# Altium PCB Digital_Optical_18Tx_14Tx4Rx2.PcbDoc (part 1 of 2) (continued)
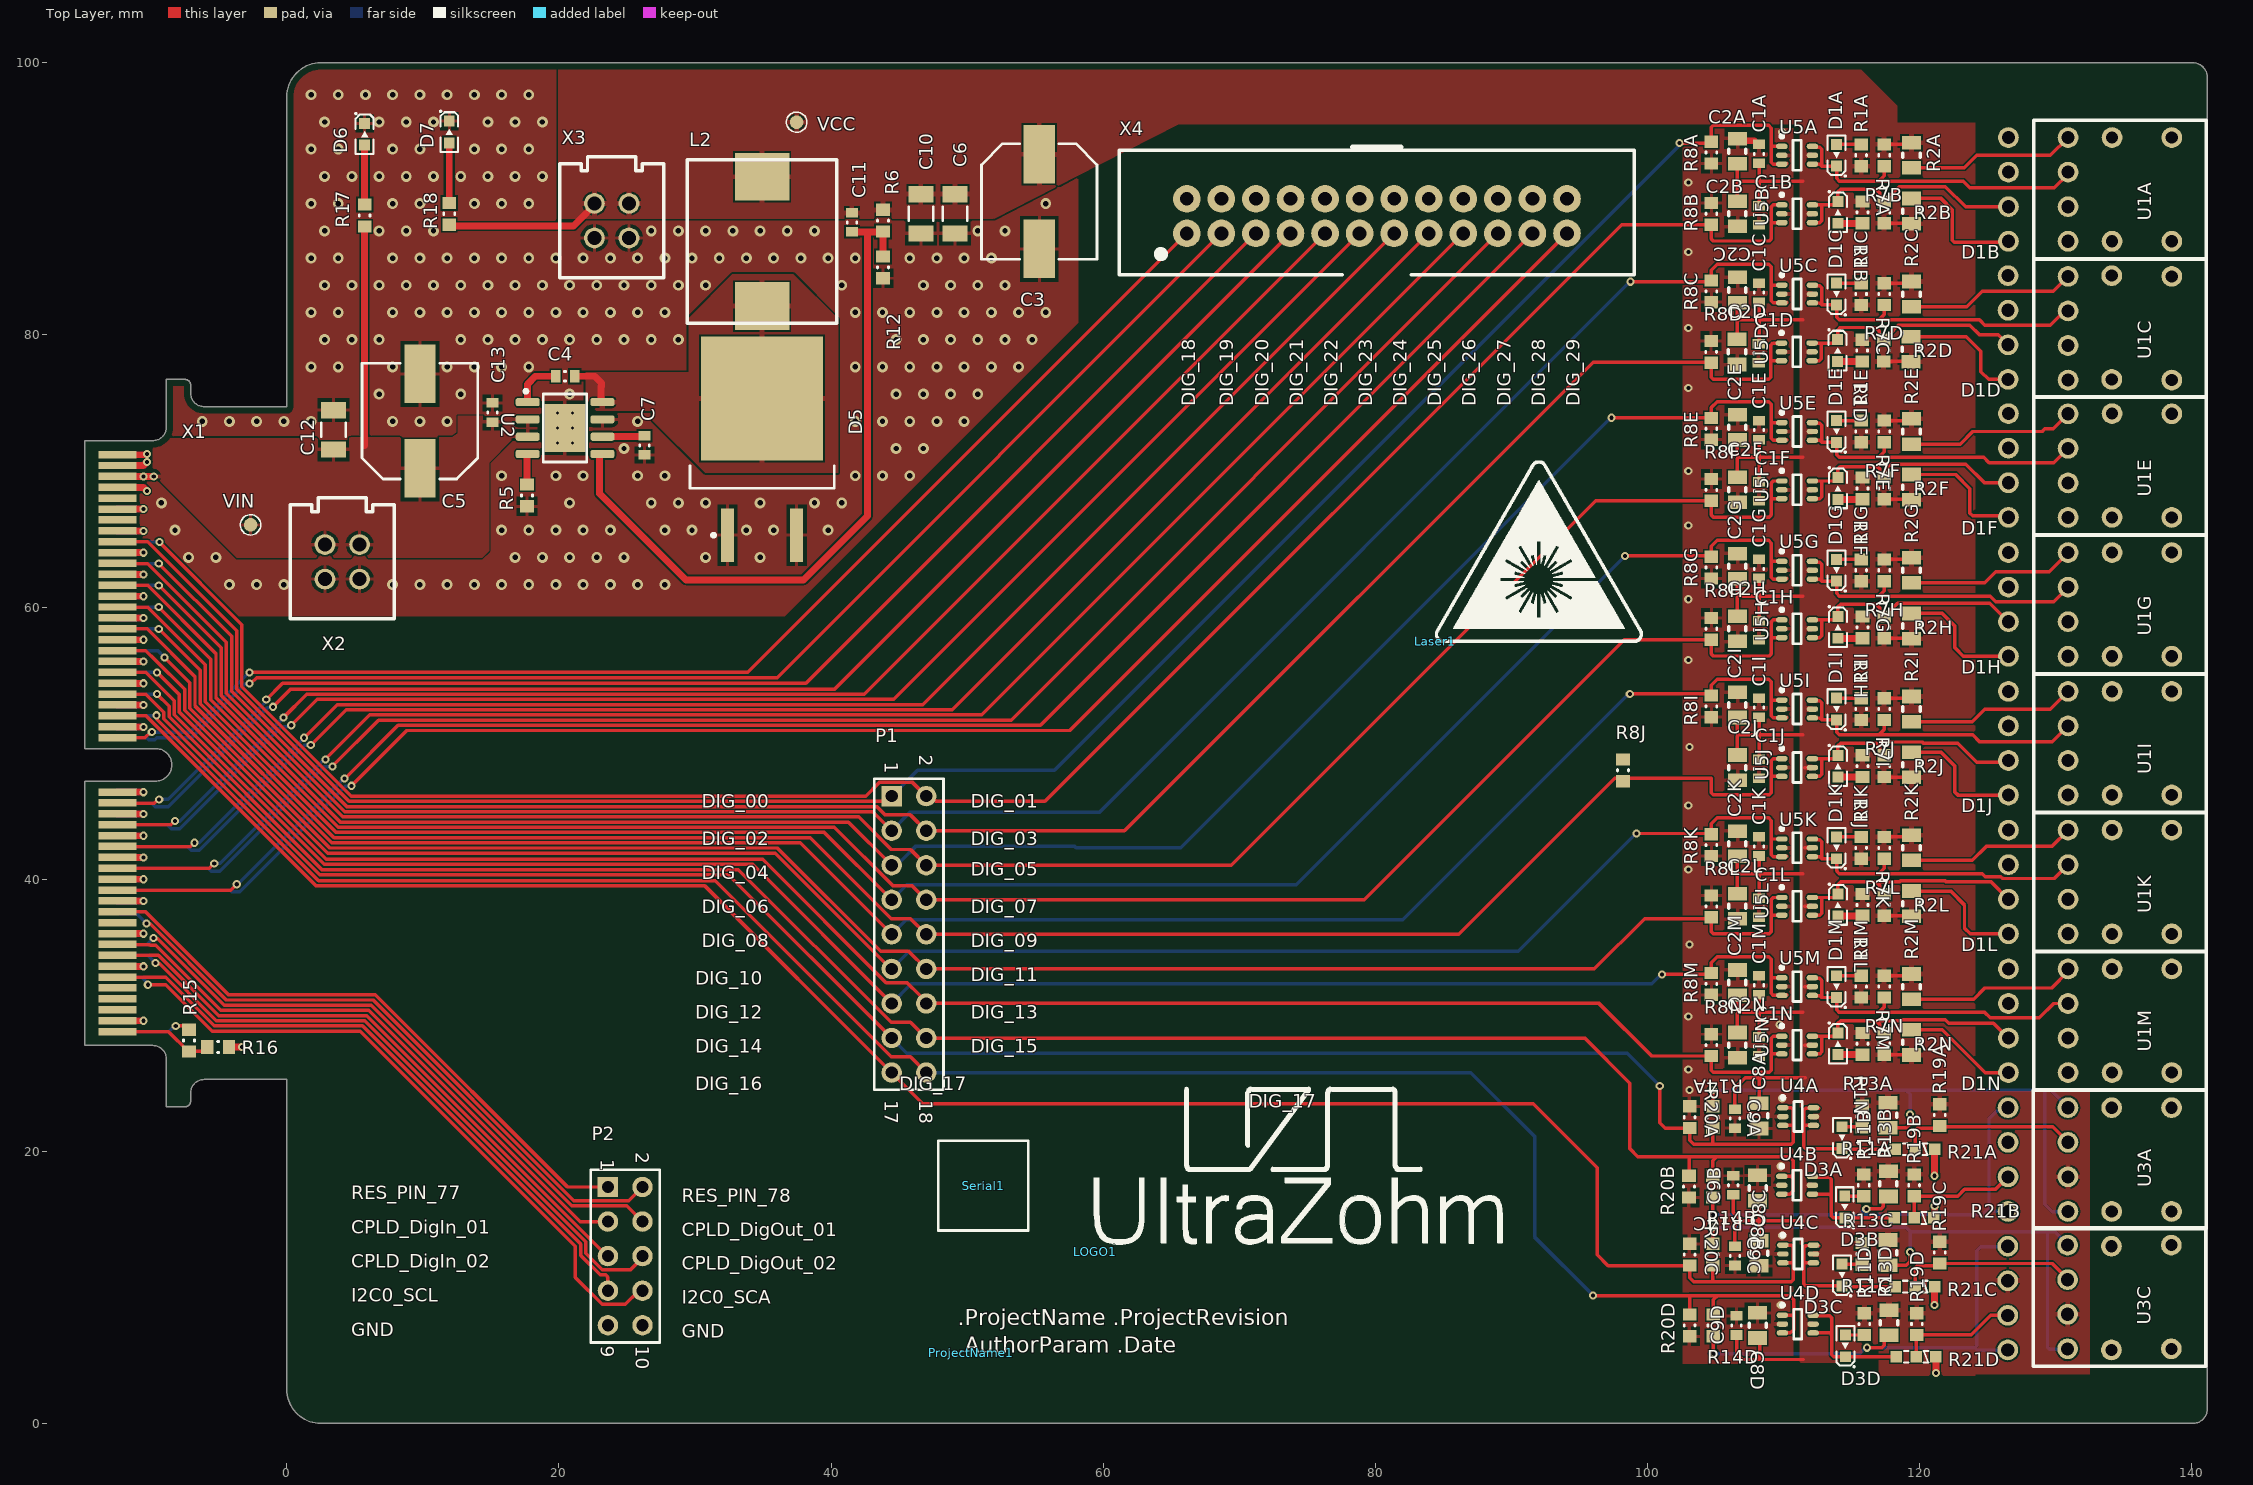
[diagram p0: Top Layer view]
## Components (designator, comment, footprint, x,y, rotation, side; value= is the part's Value field where it differs from the comment)
C1A "100nF" C_0603(1608)100_L 108.2,93.3 r90 top (schematic designator C1)
C1B "100nF" C_0603(1608)100_L 108.2,88.8 r270 top (schematic designator C1)
C1C "100nF" C_0603(1608)100_L 108.2,83.1 r90 top (schematic designator C1)
C1D "100nF" C_0603(1608)100_L 108.175,78.65 r270 top (schematic designator C1)
C1E "100nF" C_0603(1608)100_L 108.2,73 r90 top (schematic designator C1)
C1F "100nF" C_0603(1608)100_L 108.2,68.512 r270 top (schematic designator C1)
C1G "100nF" C_0603(1608)100_L 108.2,62.8 r90 top (schematic designator C1)
C1H "100nF" C_0603(1608)100_L 108.2,58.3 r270 top (schematic designator C1)
C1I "100nF" C_0603(1608)100_L 108.2,52.6 r90 top (schematic designator C1)
C1J "100nF" C_0603(1608)100_L 108.2,48.1 r270 top (schematic designator C1)
C1K "100nF" C_0603(1608)100_L 108.2,42.4 r90 top (schematic designator C1)
C1L "100nF" C_0603(1608)100_L 108.2,37.9 r270 top (schematic designator C1)
C1M "100nF" C_0603(1608)100_L 108.2,32.2 r90 top (schematic designator C1)
C1N "100nF" C_0603(1608)100_L 108.2,27.7 r270 top (schematic designator C1)
C2A "4.7µF" CAP_2012X06N 106.6,93.5 r90 top (schematic designator C2)
C2B "4.7µF" CAP_2012X06N 106.6,88.9 r270 top (schematic designator C2)
C2C "4.7µF" CAP_2012X06N 106.6,83.3 r90 top (schematic designator C2)
C2D "4.7µF" CAP_2012X06N 106.575,78.75 r270 top (schematic designator C2)
C2E "4.7µF" CAP_2012X06N 106.6,73.2 r90 top (schematic designator C2)
C2F "4.7µF" CAP_2012X06N 106.6,68.612 r270 top (schematic designator C2)
C2G "4.7µF" CAP_2012X06N 106.6,63 r90 top (schematic designator C2)
C2H "4.7µF" CAP_2012X06N 106.6,58.4 r270 top (schematic designator C2)
C2I "4.7µF" CAP_2012X06N 106.6,52.8 r90 top (schematic designator C2)
C2J "4.7µF" CAP_2012X06N 106.6,48.2 r270 top (schematic designator C2)
C2K "4.7µF" CAP_2012X06N 106.6,42.6 r90 top (schematic designator C2)
C2L "4.7µF" CAP_2012X06N 106.6,38 r270 top (schematic designator C2)
C2M "4.7µF" CAP_2012X06N 106.6,32.4 r90 top (schematic designator C2)
C2N "4.7µF" CAP_2012X06N 106.6,27.8 r270 top (schematic designator C2)
C3 "220uF" CAPAE9083X105M 55.3,89.8 r90 top
C4 "100nF" C_0603(1608)100_L 20.447,76.962 r0 top
C5 "220uF" CAPAE9083X105M 9.779,73.66 r270 top
C6 "10µF" C_1206 49.1,88.9 r270 top
C7 "10nF" C_0603(1608)100_L 26.289,71.882 r270 top
C8A "4.7µF" CAP_2012X06N 108.2,22.6 r270 top (schematic designator C8)
C8B "4.7µF" CAP_2012X06N 108.1,17.3 r90 top (schematic designator C8)
C8C "4.7µF" CAP_2012X06N 108.2,12.5 r270 top (schematic designator C8)
C8D "4.7µF" CAP_2012X06N 108.1,7.2 r90 top (schematic designator C8)
C9A "100nF" C_0603(1608)100_L 106.427,22.404 r270 top (schematic designator C9)
C9B "100nF" C_0603(1608)100_L 106.3,17.5 r90 top (schematic designator C9)
C9C "100nF" C_0603(1608)100_L 106.427,12.304 r270 top (schematic designator C9)
C9D "100nF" C_0603(1608)100_L 106.546,7.196 r90 top (schematic designator C9)
C10 "10µF" C_1206 46.6,88.9 r270 top
C11 "220pF" C_0603(1608)100_L 41.529,88.265 r270 top
C12 "10µF" C_1206 3.429,73.025 r90 top
C13 "100nF" C_0603(1608)100_L 15.113,74.295 r270 top
D1A "150060GS75000" WL-SMCW_0603 113.9,93.2 r90 top (schematic designator D1)
D1B "150060GS75000" WL-SMCW_0603 114,89 r270 top (schematic designator D1)
D1C "150060GS75000" WL-SMCW_0603 113.9,83 r90 top (schematic designator D1)
D1D "150060GS75000" WL-SMCW_0603 113.975,78.85 r270 top (schematic designator D1)
D1E "150060GS75000" WL-SMCW_0603 113.9,72.9 r90 top (schematic designator D1)
D1F "150060GS75000" WL-SMCW_0603 114,68.712 r270 top (schematic designator D1)
D1G "150060GS75000" WL-SMCW_0603 113.9,62.7 r90 top (schematic designator D1)
D1H "150060GS75000" WL-SMCW_0603 114,58.5 r270 top (schematic designator D1)
D1I "150060GS75000" WL-SMCW_0603 113.9,52.5 r90 top (schematic designator D1)
D1J "150060GS75000" WL-SMCW_0603 114,48.3 r270 top (schematic designator D1)
D1K "150060GS75000" WL-SMCW_0603 113.9,42.3 r90 top (schematic designator D1)
D1L "150060GS75000" WL-SMCW_0603 114,38.1 r270 top (schematic designator D1)
D1M "150060GS75000" WL-SMCW_0603 113.9,32.1 r90 top (schematic designator D1)
D1N "150060GS75000" WL-SMCW_0603 114,27.9 r270 top (schematic designator D1)
D3A "150060GS75000" WL-SMCW_0603 114.3,21 r90 top (schematic designator D3)
D3B "150060GS75000" WL-SMCW_0603 114.5,15.9 r90 top (schematic designator D3)
D3C "150060GS75000" WL-SMCW_0603 114.3,10.9 r90 top (schematic designator D3)
D3D "150060GS75000" WL-SMCW_0603 114.546,5.696 r90 top (schematic designator D3)
D5 "Value" DPAK254P1542X460-3N 34.925,71.628 r90 top
D6 "150060BS75000" WL-SMCW_0603 5.715,94.742 r270 top
D7 "150060RS75000" WL-SMCW_0603 11.938,94.907 r270 top
L2 "2.2uH" MWSA1004 34.925,86.868 r90 top
Laser1 "Voll_Laser" VOLL_LASER 84.4,57.5 r0 top
LOGO1 "UZ Logo" UZ_Logo_small 59.4,12.6 r0 top
P1 "Header 9X2" HDR2X9 44.45,46.101 r270 top
P2 "Header 5X2" HDR2X5 23.597,17.374 r270 top
ProjectName1 "Project Name, Rev" ID_PROJECTREV 50.292,5.207 r0 top
R1A "680R" R_0603_N 115.7,93.2 r270 top (schematic designator R1)
R1B "680R" R_0603_N 115.8,89 r90 top (schematic designator R1)
R1C "680R" R_0603_N 115.7,83 r270 top (schematic designator R1)
R1D "680R" R_0603_N 115.775,78.85 r90 top (schematic designator R1)
R1E "680R" R_0603_N 115.7,72.9 r270 top (schematic designator R1)
R1F "680R" R_0603_N 115.8,68.712 r90 top (schematic designator R1)
R1G "680R" R_0603_N 115.7,62.7 r270 top (schematic designator R1)
R1H "680R" R_0603_N 115.8,58.5 r90 top (schematic designator R1)
R1I "680R" R_0603_N 115.7,52.5 r270 top (schematic designator R1)
R1J "680R" R_0603_N 115.8,48.3 r90 top (schematic designator R1)
R1K "680R" R_0603_N 115.7,42.3 r270 top (schematic designator R1)
R1L "680R" R_0603_N 115.8,38.1 r90 top (schematic designator R1)
R1M "680R" R_0603_N 115.7,32.1 r270 top (schematic designator R1)
R1N "680R" R_0603_N 115.8,27.9 r90 top (schematic designator R1)
R2A "56R" RES_2012X06N 119.4,93.2 r270 top (schematic designator R2)
R2B "56R" RES_2012X06N 119.4,89.1 r90 top (schematic designator R2)
R2C "56R" RES_2012X06N 119.4,83 r270 top (schematic designator R2)
R2D "56R" RES_2012X06N 119.375,78.95 r90 top (schematic designator R2)
R2E "56R" RES_2012X06N 119.4,72.9 r270 top (schematic designator R2)
R2F "56R" RES_2012X06N 119.4,68.812 r90 top (schematic designator R2)
R2G "56R" RES_2012X06N 119.4,62.7 r270 top (schematic designator R2)
R2H "56R" RES_2012X06N 119.4,58.6 r90 top (schematic designator R2)
R2I "56R" RES_2012X06N 119.4,52.5 r270 top (schematic designator R2)
R2J "56R" RES_2012X06N 119.4,48.4 r90 top (schematic designator R2)
R2K "56R" RES_2012X06N 119.4,42.3 r270 top (schematic designator R2)
R2L "56R" RES_2012X06N 119.4,38.2 r90 top (schematic designator R2)
R2M "56R" RES_2012X06N 119.4,32.1 r270 top (schematic designator R2)
R2N "56R" RES_2012X06N 119.4,28 r90 top (schematic designator R2)
R5 "13k" R_0603_N 17.653,68.199 r90 top
R6 "43k" R_0603_N 43.815,88.392 r90 top
R7A "2k" R_0603_N 117.4,93.2 r90 top (schematic designator R7)
R7B "2k" R_0603_N 117.4,89 r270 top (schematic designator R7)
R7C "2k" R_0603_N 117.4,83 r90 top (schematic designator R7)
R7D "2k" R_0603_N 117.375,78.85 r270 top (schematic designator R7)
R7E "2k" R_0603_N 117.4,72.9 r90 top (schematic designator R7)
R7F "2k" R_0603_N 117.4,68.712 r270 top (schematic designator R7)
R7G "2k" R_0603_N 117.4,62.7 r90 top (schematic designator R7)
R7H "2k" R_0603_N 117.4,58.5 r270 top (schematic designator R7)
R7I "2k" R_0603_N 117.4,52.5 r90 top (schematic designator R7)
R7J "2k" R_0603_N 117.4,48.3 r270 top (schematic designator R7)
R7K "2k" R_0603_N 117.4,42.3 r90 top (schematic designator R7)
R7L "2k" R_0603_N 117.4,38.1 r270 top (schematic designator R7)
R7M "2k" R_0603_N 117.4,32.1 r90 top (schematic designator R7)
R7N "2k" R_0603_N 117.4,27.9 r270 top (schematic designator R7)
R8A "2k" R_0603_N 104.7,93.4 r90 top (schematic designator R8)
R8B "2k" R_0603_N 104.7,88.9 r270 top (schematic designator R8)
R8C "2k" R_0603_N 104.7,83.2 r90 top (schematic designator R8)
R8D "2k" R_0603_N 104.675,78.75 r270 top (schematic designator R8)
R8E "2k" R_0603_N 104.7,73.1 r90 top (schematic designator R8)
R8F "2k" R_0603_N 104.7,68.612 r270 top (schematic designator R8)
R8G "2k" R_0603_N 104.7,62.9 r90 top (schematic designator R8)
R8H "2k" R_0603_N 104.7,58.4 r270 top (schematic designator R8)
R8I "2k" R_0603_N 104.7,52.7 r90 top (schematic designator R8)
R8J "2k" R_0603_N 98.2,48 r270 top (schematic designator R8)
R8K "2k" R_0603_N 104.7,42.5 r90 top (schematic designator R8)
R8L "2k" R_0603_N 104.7,38 r270 top (schematic designator R8)
R8M "2k" R_0603_N 104.7,32.3 r90 top (schematic designator R8)
R8N "2k" R_0603_N 104.7,27.8 r270 top (schematic designator R8)
R11A "680R" R_0603_N 115.775,22.55 r270 top (schematic designator R11)
R11B "680R" R_0603_N 115.9,17.5 r270 top (schematic designator R11)
R11C "680R" R_0603_N 115.775,12.45 r270 top (schematic designator R11)
R11D "680R" R_0603_N 115.946,7.296 r270 top (schematic designator R11)
R12 "12k" R_0603_N 43.815,84.963 r90 top
R13A "56R" RES_2012X06N 117.675,22.65 r270 top (schematic designator R13)
R13B "56R" RES_2012X06N 117.7,17.6 r270 top (schematic designator R13)
R13C "56R" RES_2012X06N 117.675,12.55 r270 top (schematic designator R13)
R13D "56R" RES_2012X06N 117.746,7.396 r270 top (schematic designator R13)
R14A "1.2k" R_0603_N 104.8,22.5 r270 top (schematic designator R14)
R14B "1.2k" R_0603_N 104.8,17.4 r90 top (schematic designator R14)
R14C "1.2k" R_0603_N 104.8,12.4 r270 top (schematic designator R14)
R14D "1.2k" R_0603_N 104.846,7.196 r90 top (schematic designator R14)
R15 "0R" R_0603_N -7.19,28.135 r90 top
R16 "0R" R_0603_N -5.051,27.66 r180 top
R17 "2k" R_0603_N 5.715,88.773 r270 top
R18 "560R" R_0603_N 11.938,88.9 r270 top
R19A "2k" R_0603_N 121.475,22.65 r90 top (schematic designator R19)
R19B "2k" R_0603_N 119.6,17.5 r90 top (schematic designator R19)
R19C "2k" R_0603_N 121.475,12.55 r90 top (schematic designator R19)
R19D "2k" R_0603_N 119.8,7.3 r90 top (schematic designator R19)
R20A "2k" R_0603_N 103.1,22.5 r270 top (schematic designator R20)
R20B "2k" R_0603_N 103.054,17.404 r90 top (schematic designator R20)
R20C "2k" R_0603_N 103.1,12.4 r270 top (schematic designator R20)
R20D "2k" R_0603_N 103.1,7.2 r90 top (schematic designator R20)
R21A "0R" 0603_Config 118.95,20.15 r0 top (schematic designator R21)
R21B "0R" 0603_Config 118.875,15.1 r0 top (schematic designator R21)
R21C "0R" 0603_Config 118.95,10.05 r0 top (schematic designator R21)
R21D "0R" 0603_Config 119.021,4.896 r0 top (schematic designator R21)
Serial1 "Serialnumber 6,3 x 6.3mm" SERIAL_6.3X6.3MM 51.181,17.471 r180 top
U1A "Optical Transceiver" HFBRX5XX 130.915,94.501 r90 top (schematic designator U1)
U1B "Optical Transceiver" HFBRX5XX 126.527,86.881 r270 bottom (schematic designator U1)
U1C "Optical Transceiver" HFBRX5XX 130.915,84.301 r90 top (schematic designator U1)
U1D "Optical Transceiver" HFBRX5XX 126.502,76.731 r270 bottom (schematic designator U1)
U1E "Optical Transceiver" HFBRX5XX 130.915,74.201 r90 top (schematic designator U1)
U1F "Optical Transceiver" HFBRX5XX 126.527,66.593 r270 bottom (schematic designator U1)
U1G "Optical Transceiver" HFBRX5XX 130.915,64.001 r90 top (schematic designator U1)
U1H "Optical Transceiver" HFBRX5XX 126.527,56.381 r270 bottom (schematic designator U1)
U1I "Optical Transceiver" HFBRX5XX 130.915,53.801 r90 top (schematic designator U1)
U1J "Optical Transceiver" HFBRX5XX 126.527,46.181 r270 bottom (schematic designator U1)
U1K "Optical Transceiver" HFBRX5XX 130.915,43.601 r90 top (schematic designator U1)
U1L "Optical Transceiver" HFBRX5XX 126.527,35.981 r270 bottom (schematic designator U1)
U1M "Optical Transceiver" HFBRX5XX 130.915,33.401 r90 top (schematic designator U1)
U1N "Optical Transceiver" HFBRX5XX 126.527,25.781 r270 bottom (schematic designator U1)
U2 "5A Buck Converter" SOP127P600X170_HS-9N 20.447,73.152 r270 top
U3A "Optical Transceiver" HFBRX5XX 130.9,23.2 r90 top (schematic designator U3)
U3B "Optical Transceiver" HFBRX5XX 126.5,15.58 r270 bottom (schematic designator U3)
U3C "Optical Transceiver" HFBRX5XX 130.88,13.1 r90 top (schematic designator U3)
U3D "Optical Transceiver" HFBRX5XX 126.48,5.4 r270 bottom (schematic designator U3)
U4A "Dual Inverter" SN74LVC2GU04DCKR 111.075,22.55 r0 top (schematic designator U4)
U4B "Dual Inverter" SN74LVC2GU04DCKR 111,17.5 r0 top (schematic designator U4)
U4C "Dual Inverter" SN74LVC2GU04DCKR 111.075,12.45 r0 top (schematic designator U4)
U4D "Dual Inverter" SN74LVC2GU04DCKR 111.046,7.296 r0 top (schematic designator U4)
U5A "Dual Inverter" SN74LVC2GU04DCKR 111,93.2 r0 top (schematic designator U5)
U5B "Dual Inverter" SN74LVC2GU04DCKR 111,88.9 r0 top (schematic designator U5)
U5C "Dual Inverter" SN74LVC2GU04DCKR 111,83 r0 top (schematic designator U5)
U5D "Dual Inverter" SN74LVC2GU04DCKR 110.975,78.75 r0 top (schematic designator U5)
U5E "Dual Inverter" SN74LVC2GU04DCKR 111,72.9 r0 top (schematic designator U5)
U5F "Dual Inverter" SN74LVC2GU04DCKR 111,68.612 r0 top (schematic designator U5)
U5G "Dual Inverter" SN74LVC2GU04DCKR 111,62.7 r0 top (schematic designator U5)
U5H "Dual Inverter" SN74LVC2GU04DCKR 111,58.4 r0 top (schematic designator U5)
U5I "Dual Inverter" SN74LVC2GU04DCKR 111,52.5 r0 top (schematic designator U5)
U5J "Dual Inverter" SN74LVC2GU04DCKR 111,48.2 r0 top (schematic designator U5)
U5K "Dual Inverter" SN74LVC2GU04DCKR 111,42.3 r0 top (schematic designator U5)
U5L "Dual Inverter" SN74LVC2GU04DCKR 111,38 r0 top (schematic designator U5)
U5M "Dual Inverter" SN74LVC2GU04DCKR 111,32.1 r0 top (schematic designator U5)
U5N "Dual Inverter" SN74LVC2GU04DCKR 111,27.8 r0 top (schematic designator U5)
VCC "Testpoint 1mm" TP_1MM 37.465,95.631 r90 top
VIN "Testpoint 1mm" TP_1MM -2.667,66.04 r90 top
X1 "HSEC8-150-01-XX-DV-A-BL-CARD" HSEC8-150-01-XX-DV-A-BL-CARD -14.84,50 r270 bottom
X2 "IPL1-102-01-L-D-K" IPL1-102-01-L-D-K 4.073,63.317 r180 top
X3 "IPL1-102-01-L-D-K" IPL1-102-01-L-D-K 23.876,88.392 r180 top
X4 "2x12 Header .100''" TST-112-01-G-D 80.113,88.73 r0 top

## Footprints (in the part's own frame and the unit in brackets; to place one, negate y for a bottom-side part, rotate by r counter-clockwise, add the part's x,y. Pads: shape width x height; smd on the part's side, far side on the other; paste and mask are expansions set on the pad)
0603_Config [mm] "0603 3-Pin Config Footprint"
  rect 0.85x0.85 smd: 1(-0.725,0) 2(0.725,0) 3(2.175,0)
  silkscreen extent -0.16,-0.43 1.61,0.43, body extent -0.8,-0.4 0.8,0.4, height 0.3
C_0603(1608)100_L [mm] "Chip Capacitor, Body 1.6x0.8mm, Height 1.0mm, IPC High Density"
  rect 0.7x0.9 smd: 1(-0.7,0) 2(0.7,0)
  silkscreen extent -0.05,-0.35 0.05,0.35, body extent -0.8,-0.4 0.8,0.4, height 0.8
C_1206 [mm]
  rect 1.21x1.82 smd: 1(1.45,0) 2(-1.45,0)
  silkscreen extent -0.5,-0.9 0.5,0.9, body extent -1.6,-0.81 1.6,0.81, height 1.82
CAP_2012X06N [mm] "Chip Resistor, 2-Leads, Body 2,00x1,25mm, IPC Medium Density"
  rect 1x1.4 smd: 1(-0.925,0) 2(0.925,0)
  silkscreen extent -0.15,-0.64 0.15,0.64, body extent -1,-0.62 1,0.63, height 1.25
CAPAE9083X105M [mm] "Aluminum Electrolytic Capacitor, Body 8,30x8,30x10,50mm, IPC Low Density"
  rect 4.3x2.3 smd: 1(3.475,0) 2(-3.475,0)
  silkscreen extent -4.25,-4.25 4.25,4.25, body extent -4.25,-4.25 4.25,4.25, height 10.5
DPAK254P1542X460-3N [mm] "D2-PAK, 3-Pads, Body 7,78x8,64mm (max), IPC Medium Density"
  rect 3.95x0.95 smd: 1(-6.35,2.54) 3(-6.35,-2.54)
  rect 9.1x8.95 smd: 4(3.7,0)
  silkscreen extent -6.47,-5.3 -1.25,5.3, body extent -2.9,-5.28 6.45,5.28, height 0.25
HDR2X5 [mm] "Connector; Header; 5x2 Position"
  rect 1.5x1.5 hole 0.9: 1(0,0)
  round 1.5 hole 0.9: 2(0,2.54) 3(2.54,0) 4(2.54,2.54) 5(5.08,0) 6(5.08,2.54) 7(7.62,0) 8(7.62,2.54) 9(10.16,0) 10(10.16,2.54)
  silkscreen extent -1.27,-1.27 11.43,3.81
HDR2X9 [mm] "Connector; Header; 9x2 Position"
  rect 1.5x1.5 hole 0.9: 1(0,0)
  round 1.5 hole 0.9: 2(0,2.54) 3(2.54,0) 4(2.54,2.54) 5(5.08,0) 6(5.08,2.54) 7(7.62,0) 8(7.62,2.54) 9(10.16,0) 10(10.16,2.54) 11(12.7,0) 12(12.7,2.54) 13(15.24,0) 14(15.24,2.54) 15(17.78,0) 16(17.78,2.54) 17(20.32,0) 18(20.32,2.54)
  silkscreen extent -1.27,-1.27 21.59,3.81
HFBRX5XX [mil]
  round 60 hole 38: 1(0,0) 2(-100,0) 3(-200,0) 4(-300,0)
  round 60 hole 35: 5(-300,-300) 8(0,-300)
  silkscreen extent -350,-400 50,100, body extent -350,-610 130,130, height 344
HSEC8-150-01-XX-DV-A-BL-CARD [mm]
  rect 0.55x2.8 smd far side mask+0.05: 1(-21.2,-2.4) 3(-20.4,-2.4) 5(-19.6,-2.4) 7(-18.8,-2.4) 9(-18,-2.4) 11(-17.2,-2.4) 13(-16.4,-2.4) 15(-15.6,-2.4) 17(-14.8,-2.4) 19(-14,-2.4) 21(-13.2,-2.4) 23(-12.4,-2.4) 25(-11.6,-2.4) 27(-10.8,-2.4) 29(-10,-2.4) 31(-9.2,-2.4) 33(-8.4,-2.4) 35(-7.6,-2.4) 37(-6.8,-2.4) 39(-6,-2.4) 41(-5.2,-2.4) 43(-4.4,-2.4) 45(-3.6,-2.4) 47(-2.8,-2.4) 49(-2,-2.4) 51(-1.2,-2.4) 53(-0.4,-2.4) 55(3.6,-2.4) 57(4.4,-2.4) 59(5.2,-2.4) 61(6,-2.4) 63(6.8,-2.4) 65(7.6,-2.4) 67(8.4,-2.4) 69(9.2,-2.4) 71(10,-2.4) 73(10.8,-2.4) 75(11.6,-2.4) 77(12.4,-2.4) 79(13.2,-2.4) 81(14,-2.4) 83(14.8,-2.4) 85(15.6,-2.4) 87(16.4,-2.4) 89(17.2,-2.4) 91(18,-2.4) 93(18.8,-2.4) 95(19.6,-2.4) 97(20.4,-2.4) 99(21.2,-2.4)
  rect 0.55x2.8 smd mask+0.05: 2(-21.2,-2.4) 4(-20.4,-2.4) 6(-19.6,-2.4) 8(-18.8,-2.4) 10(-18,-2.4) 12(-17.2,-2.4) 14(-16.4,-2.4) 16(-15.6,-2.4) 18(-14.8,-2.4) 20(-14,-2.4) 22(-13.2,-2.4) 24(-12.4,-2.4) 26(-11.6,-2.4) 28(-10.8,-2.4) 30(-10,-2.4) 32(-9.2,-2.4) 34(-8.4,-2.4) 36(-7.6,-2.4) 38(-6.8,-2.4) 40(-6,-2.4) 42(-5.2,-2.4) 44(-4.4,-2.4) 46(-3.6,-2.4) 48(-2.8,-2.4) 50(-2,-2.4) 52(-1.2,-2.4) 54(-0.4,-2.4) 56(3.6,-2.4) 58(4.4,-2.4) 60(5.2,-2.4) 62(6,-2.4) 64(6.8,-2.4) 66(7.6,-2.4) 68(8.4,-2.4) 70(9.2,-2.4) 72(10,-2.4) 74(10.8,-2.4) 76(11.6,-2.4) 78(12.4,-2.4) 80(13.2,-2.4) 82(14,-2.4) 84(14.8,-2.4) 86(15.6,-2.4) 88(16.4,-2.4) 90(17.2,-2.4) 92(18,-2.4) 94(18.8,-2.4) 96(19.6,-2.4) 98(20.4,-2.4) 100(21.2,-2.4)
ID_PROJECTREV [mm] "project name + revision number"
IPL1-102-01-L-D-K [mil]
  round 60 hole 40 mask+3: 1(-50,50) 2(50,50) 3(-50,-50) 4(50,-50)
  silkscreen extent -150,-185 150,165, body extent -130,-165 130,145, height 320
MWSA1004 [mm]
  rect 3.5x4 smd: 1(-4.75,0) 2(4.75,0)
  silkscreen extent -6,-5.5 6,5.5, body extent -5.97,-5.46 5.97,5.59, height 4
R_0603_N [mm] "SMD Resistor, Body 1.6x0.8mm, IPC Medium Density"
  rect 0.9x1 smd: 1(-0.8,0) 2(0.8,0)
  silkscreen extent -0.05,-0.4 0.05,0.4, body extent -0.8,-0.4 0.8,0.4, height 0.44
RES_2012X06N [mm] "Chip Resistor, 2-Leads, Body 2,00x1,25mm, IPC Medium Density"
  rect 1x1.4 smd: 1(-0.925,0) 2(0.925,0)
  silkscreen extent -0.15,-0.64 0.15,0.64, body extent -1,-0.63 1,0.62, height 0.45
SERIAL_6.3X6.3MM [mm]
  silkscreen extent -3.3,-3.3 3.3,3.3
SN74LVC2GU04DCKR [mm] "TSOP, 6-Leads, Body 2,00x1,25mm, Pitch 0,65mm, IPC Medium Density"
  oval 0.85x0.4 smd: 1(-1.125,0.65) 2(-1.125,0) 3(-1.125,-0.65) 4(1.125,-0.65) 5(1.125,0) 6(1.125,0.65)
  silkscreen extent -1.25,-1.1 0.3,1.52, body extent -0.7,-1.1 0.7,1.1, height 1.1
SOP127P600X170_HS-9N [mm] "SOP, 8-Leads, Body 4,90x3,90mm, Pitch 1,27mm, Thermal Pad 3,10x2,40mm, IPC Medium Density"
  rrect50% 0.6x1.75 smd: 1(-1.905,-2.75) 2(-0.635,-2.75) 3(0.635,-2.75) 4(1.905,-2.75) 5(1.905,2.75) 6(0.635,2.75) 7(-0.635,2.75) 8(-1.905,2.75)
  rect 3.5x3 smd mask-0.2: 9(0,0)
  silkscreen extent -2.83,-3 2.5,1.6, body extent -3,-2.45 3,2.45, height 1.75
TP_1MM [mm]
  round 1 smd paste-1: 1(0,0)
  silkscreen extent -0.75,-0.75 0.75,0.75
TST-112-01-G-D [mil] "2x12 .100'' Header Samtec"
  round 80 hole 40: 1(-550,-50) 2(-550,50) 3(-450,-50) 4(-450,50) 5(-350,-50) 6(-350,50) 7(-250,-50) 8(-250,50) 9(-150,-50) 10(-150,50) 11(-50,-50) 12(-50,50) 13(50,-50) 14(50,50) 15(150,-50) 16(150,50) 17(250,-50) 18(250,50) 19(350,-50) 20(350,50) 21(450,-50) 22(450,50) 23(550,-50) 24(550,50)
  silkscreen extent -745,-170 745,200, body extent -750,-177 750,196, height 353
UZ_Logo_small [mm] "logo width 3cm"
  silkscreen extent -0.05,0.57 29.94,12.12
VOLL_LASER [mm]
  silkscreen extent 0,-0.08 15.24,13.26
WL-SMCW_0603 [mm] "SMD Mono-color Chip LED, body 1.6x0.8mm"
  rect 0.8x0.8 smd: 1(-0.8,0) 2(0.8,0)
  silkscreen extent -1.59,-0.7 1.45,0.65, body extent -0.8,-0.4 0.8,0.4, height 0.7

## Part data
C1A C1B C1C C1D C1E C1F C1G C1H C1I C1J C1K C1L C1M C1N C4 C9A C9B C9C C9D C13: library part C_0603, "CAP 0603 (1608 Metric) SMD", Case-EIA=0603, Case-Metric=1608, LCSC Part #=C14663, Rated Voltage="50 V", Tolerance=±5%, Created=2018_09_06_AGeiger, Max Thickness="1 mm", Package=0603, Technology=SMT
C2A C2B C2C C2D C2E C2F C2G C2H C2I C2J C2K C2L C2M C2N: library part C_0805, "CAP 0805 (2012 Metric) SMD", Case-EIA=0805, Case-Metric=2012, Dielectric=X7R, LCSC Part #=C1779, MPN=LMF212B7475KGHT, Supplier Part Number 1=963-LMF212B7475KGHT, Tolerance=±10%, Voltage="10 V", Created=2018_09_06_AGeiger, Max Thickness="1 mm", MF="Taiyo Yuden", Package=0805, Supplier 1=Mouser, Technology=SMT
C3 C5: "ALUMINUM ELECTROLYTIC CAPACITOR", Dielectric=tbd, LCSC Part #=C311611, Package=8x10, Tolerance=20%, Voltage=35V, Created=2018_06_25_AGeiger, MPN=tbd, Supplier 1=tbd, Supplier Part Number 1=tbd
C6 C10 C12: "Capacitor 1206", Dielectric=X5R, LCSC Part #=C13585, MPN=GMK316BJ106KL-T, Package=1206, Supplier Part Number 1=963-GMK316BJ106KL-T, Tolerance=10%, Voltage="35 V", Created=2018_06_25_AGeiger, MF="Taiyo Yuden", Supplier 1=Mouser
C7: library part C_0603, "CAP 0603 (1608 Metric) SMD", Case-EIA=0603, Case-Metric=1608, LCSC Part #=C57112, Rated Voltage="50 V", Tolerance=±5%, Created=2018_09_06_AGeiger, Max Thickness="1 mm", Package=0603, Technology=SMT
C8A C8B C8C C8D: library part C_0805, "CAP 0805 (2012 Metric) SMD", Case-EIA=0805, Case-Metric=2012, Dielectric=X7R, LCSC Part #=C1779, MPN=LMF212B7475KGHT, Rated Voltage="10 V", Supplier Part Number 1=963-LMF212B7475KGHT, Tolerance=±10%, Created=2018_09_06_AGeiger, Max Thickness="1 mm", MF="Taiyo Yuden", Supplier 1=Mouser, Technology=SMT
C11: library part C_0603, "CAP 0603 (1608 Metric) SMD", Case-EIA=0603, Case-Metric=1608, LCSC Part #=C1603, Rated Voltage="50 V", Tolerance=±5%, Created=2018_09_06_AGeiger, Max Thickness="1 mm", Package=0603, Technology=SMT
D1A D1B D1C D1D D1E D1F D1G D1H D1I D1J D1K D1L D1M D1N D3A D3B D3C D3D: library part LED_Green_0603, "WL-SMCW SMD Mono-color Chip LED Waterclear, size 0603, Green, 3.2 V, 140°", Emitting Color=Green, Forward Voltage="3.2 V", LCSC Part #=C72043, Package=0603, Supplier Part Number 1=2322070, ComponentLink1Description=Manufacturer, ComponentLink1URL=http://www.we-online.de, ComponentLink2Description=Datasheet, ComponentLink2URL=http://katalog.we-online.com/led/datasheet/150060GS75000.pdf, Created=2018_09_06_AGeiger, Dominant Wavelength="520 nm", Luminous Intensity="430 mcd", MF="Wuerth Elektronik", MPN=150060GS75000, Peak Wavelength="515 nm", Published Date="Sep. 2017", Size=0603, Supplier 1=Farnell, Supplier 2=Mouser, Supplier 3=Digi-Key, Supplier Part Number 2=710-150060GS75000, Supplier Part Number 3=732-4971-1-ND, Viewing Angle=140°
D5: library part STPS30L60CG-TR, "SCHOTTKY BARRIER DIODES (SBD) TO-263-2 ROHS", LCSC Part #=C180216, LCSC Part # 2=C172486, ComponentLink1Description=Manufacturer, ComponentLink1URL=STMicroelectronics, ComponentLink2Description=Datasheet
D6: library part LED_Blue_0603, "WL-SMCW SMD Mono-color Chip LED Waterclear, size 0603, Blue, 3.2 V, 140°", Emitting Color=Blue, Forward Voltage="3.2 V", LCSC Part #=C72041, Package=0603, Supplier Part Number 1=2322069, ComponentLink1Description=Manufacturer, ComponentLink1URL=http://www.we-online.de, ComponentLink2Description=Datasheet, ComponentLink2URL=http://katalog.we-online.com/led/datasheet/150060BS75000.pdf, Created=2018_09_06_AGeiger, Dominant Wavelength="470 nm", Luminous Intensity="145 mcd", MF="Wuerth Elektronik", MPN=150060BS75000, Peak Wavelength="465 nm", Published Date="Sep. 2017", Size=0603, Supplier 1=Farnell, Supplier 2=Mouser, Supplier 3=Digi-Key, Supplier Part Number 2=710-150060BS75000, Supplier Part Number 3=732-4966-1-ND, Viewing Angle=140°
D7: library part LED_Red_0603, "WL-SMCW SMD Mono-color Chip LED Waterclear, size 0603, Red, 2 V, 140°", Emitting Color=Red, Forward Voltage="2 V", LCSC Part #=C2286, Package=0603, Supplier Part Number 1=2322071, ComponentLink1Description=Manufacturer, ComponentLink1URL=http://www.we-online.de, ComponentLink2Description=Datasheet, ComponentLink2URL=http://katalog.we-online.com/led/datasheet/150060RS75000.pdf, Created=2018_09_06_AGeiger, Dominant Wavelength="625 nm", Luminous Intensity="250 mcd", MF="Wuerth Elektronik", MPN=150060RS75000, Peak Wavelength="630 nm", Published Date="Sep. 2017", Size=0603, Supplier 1=Farnell, Supplier 2=Mouser, Supplier 3=Digi-Key, Supplier Part Number 2=710-150060RS75000, Supplier Part Number 3=732-4978-1-ND, Viewing Angle=140°
L2: library part Inductor_2.2uH_13A, "POWER INDUCTORS 2.2UH ±20% 13A SMD,10.5X11.5X4.0MM ROHS", Current rated=13A, LCSC Part #=C149550
Laser1: "Logo Laser Warning Sign"
LOGO1: "UltraZohm Logo on PCB", Created=Jan2021_Liegmann
P1: "Header, 9-Pin, Dual row", LatestRevisionDate=17-Jul-2002, LatestRevisionNote="Re-released for DXP Platform.", Publisher="Altium Limited"
P2: "Header, 5-Pin, Dual row", LatestRevisionDate=17-Jul-2002, LatestRevisionNote="Re-released for DXP Platform.", Publisher="Altium Limited"
ProjectName1: "Project Name and Revision Number", Created=2018_11_23_AGeiger
R1A R1B R1C R1D R1E R1F R1G R1H R1I R1J R1K R1L R1M R1N R11A R11B R11C R11D: "SMD Resistor 0603", LCSC Part #=C23228, MPN=CR0603-FX-3901ELF, Package=0603, Power="100 mW", Supplier Part Number 1=652-CR0603-FX3901ELF, Tolerance=1%, Voltage=75V, Created=2018_09_06_AGeiger, MF=Bourns, Supplier 1=Mouser
R2A R2B R2C R2D R2E R2F R2G R2H R2I R2J R2K R2L R2M R2N: library part R_0805, "SMD Resistor 0805", Case_EIA=0805, LCSC Part #=C25196, Power="125 mW", Tolerance=1%, Voltage="150 V", MF=Bourns, Supplier 1=Mouser
R5: "SMD Resistor 0603", LCSC Part #=C22797, Package=0603, Power="100 mW", Tolerance=1%, Voltage=50V, Created=2018_09_06_AGeiger
R6: "SMD Resistor 0603", LCSC Part #=C23172, Package=0603, Power="100 mW", Tolerance=1%, Voltage=50V, Created=2018_09_06_AGeiger
R7A R7B R7C R7D R7E R7F R7G R7H R7I R7J R7K R7L R7M R7N R8A R8B R8C R8D R8E R8F R8G R8H R8I R8J R8K R8L R8M R8N R19A R19B R19C R19D R20A R20B R20C R20D: "SMD Resistor 0603", LCSC Part #=C22975, MPN=RC0603FR-072KL, Package=0603, Power="100 mW", Supplier Part Number 1=603-RC0603FR-072KL, Tolerance=1%, Voltage="75 V", Created=2018_09_06_AGeiger, MF=Yageo, Supplier 1=Mouser
R12: "SMD Resistor 0603", LCSC Part #=C22790, Package=0603, Power="100 mW", Tolerance=1%, Voltage=50V, Created=2018_09_06_AGeiger
R13A R13B R13C R13D: library part R_0805, "SMD Resistor 0805", Case_EIA=0805, LCSC Part #=C17437, MPN=CR0805-FX-1200ELF, Power="125 mW", Supplier Part Number 1=652-CR0805FX-1200ELF*, Tolerance=1%, Voltage="150 V", MF=Bourns, Supplier 1=Mouser
R14A R14B R14C R14D: "SMD Resistor 0603", LCSC Part #=C22765, MPN=RC0603FR-071K2L, Package=0603, Power="100 mW", Supplier Part Number 1=603-RC0603FR-071K2L, Tolerance=1%, Voltage="75 V", Created=2018_09_06_AGeiger, MF=Yageo, Supplier 1=Mouser
R15: "SMD Resistor 0603", LCSC Part #=C21189, MPN=CRCW06030000Z0EBC, Package=0603, Power="100 mW", Supplier Part Number 1=71-CRCW06030000Z0EBC, Tolerance=1%, Voltage=75V, Created=2018_09_06_AGeiger, MF=Vishay, Supplier 1=Mouser
R16: "SMD Resistor 0603", MPN=CRCW06030000Z0EBC, Package=0603, Power="100 mW", Supplier Part Number 1=71-CRCW06030000Z0EBC, Tolerance=1%, Voltage=75V, Created=2018_09_06_AGeiger, MF=Vishay, Supplier 1=Mouser
R17: "SMD Resistor 0603", LCSC Part #=C22975, MPN=CRCW060322K0FKEAC, Package=0603, Power="100 mW", Supplier Part Number 1=71-CRCW060322K0FKEAC, Tolerance=1%, Voltage=75V, Created=2018_09_06_AGeiger, MF=Vishay, Supplier 1=Mouser
R18: library part R_0603, "SMD Resistor 0603", LCSC Part #=C23189, MPN=RC0603FR-071KL, Package=0603, Power=100mW, Supplier Part Number 1=9238484, Tolerance=1%, Voltage=75V, Created=2019_10_14_AGeiger, MF=Multicomp, Supplier 1=Farnell
R21A R21B R21C R21D: library part R_config, "Solder resistor/jumper between pads 1 and 2 for standard function. Solder resistor between pads 2 and 3 for alternative function", LCSC Part #=C21189, Package=0603, Created=2018_09_04_AGeiger
U1A U1B U1C U1D U1E U1F U1G U1H U1I U1J U1K U1L U1M U1N U3A U3B U3C U3D: library part HFBR-1521Z, "Fibre Optic Transmitters, Receivers, Transceivers Versatile Link Horiz 5MBd Tx RoHS", Foreward Current="60 mA", Supplier Part Number 1=630-HFBR-1521Z, Supply Voltage=5V, Created=2019_04_09_Kreppel, Data Rate="5 MBd", MF=Broadcom/Avago, MPN=HFBR-1521Z, Supplier 1=Mouser, Supplier 2=Digi-Key, Supplier Part Number 2=516-2043-ND, Wavelength="660 nm"
U2: library part LMR14050, "SIMPLE SWITCHER® 40-V, 5-A, 2.2-MHz step-down converter with 40-μA IQr", LCSC Part #=C155484, MPN=LMR14050SDDAR, Package=HSOIC-8, Supplier Part Number 1=595-LMR14050SDDAR, Created=2020_04_Kreppel, fSW="1 MHz", MF="Texas Instruments", Supplier 1=Mouser
U4A U4B U4C U4D U5A U5B U5C U5D U5E U5F U5G U5H U5I U5J U5K U5L U5M U5N: library part SN74LVC2GU04DCKR, "This dual inverter is designed for 1.65-V to 5.5-V VCC / operation.", LCSC Part #=C116660
X1: "Mating Card Layout for HSEC8-150-01-XX-DV-A-BL", Manufacturer=SAMTEC, Created=2018_04_23_AGeiger
X2 X3: library part IPL1-102-XX-X-D-X, "2.54mm Double Row Terminal Assembly, Right-Angled", Manufacturer=SAMTEC, Created=2018_05_02_AGeiger, MPN=IPL1-102-01-L-D-K
X4: library part TST-112-01-G-D, "Double Row, 12 positions, Shrouded Terminal Header .100''", Supplier Part Number 1=200-TST11201GD, Created=2020_04_Kreppel, MF=Samtec, MPN=TST-112-01-G-D, Supplier 1=Mouser
Serial1: Created=2018_09_18_AGeiger
VCC VIN: Created=2018_06_25_AGeiger

## Via types
v1: diameter 0.8, hole 0.4, Top Layer to Bottom Layer, tented both sides, 224 vias
v2: diameter 0.6, hole 0.3, Top Layer to Bottom Layer, tented both sides, 100 vias
v3: diameter 0.45, hole 0.2, Top Layer to Bottom Layer, tented bottom, 6 vias

## Nets (pads, with @x,y where several pads share a name; then routed paths per layer and width w, separated by ;. In a path a pad name is that pad's centre, name@x,y a point inside that pad or via, vN(x,y) a via of type N, cw(c..) or ccw(c..) an arc to the next point about the centre after c; other vN are vias at no path point)
DCPLD_DigIn_01: P2.3 X1.83 | length 44.5
  Top Layer w0.254: X1.83@-12.44,35.191 -10.092,35.191 -10.032,35.131 -9.637,35.131 -4.859,30.353 6.034,30.353 21.554,14.834 P2.3@23.597,14.834
DCPLD_DigIn_02: P2.5 X1.85 | length 45.2
  Top Layer w0.254: X1.85@-12.44,34.391 -9.436,34.391 -5.017,29.972 5.877,29.972 23.555,12.294 P2.5@23.597,12.294
DCPLD_DigOut_01: P2.4 X1.84 | length 47.4
  Top Layer w0.254: v2(-9.802,35.685) -9.736,35.619 -9.491,35.619 -4.607,30.734 6.192,30.734 20.938,15.989 24.982,15.989 P2.4@26.137,14.834
  Bottom Layer w0.254: X1.84@-12.44,35.191 -10.296,35.191 v2(-9.802,35.685)
DCPLD_DigOut_02: P2.6 X1.86 | length 49.1
  Top Layer w0.254: v2(-9.665,33.837) -9.599,33.771 -9.354,33.771 -5.175,29.591 5.719,29.591 21.971,13.339 21.971,12.499 23.181,11.29 25.26,11.29 26.137,12.167 P2.6@26.137,12.294
  Bottom Layer w0.254: X1.86@-12.44,34.391 -10.219,34.391 v2(-9.665,33.837)
DIG_IO_18: X1.53 X4.1 | length 93.9
  Top Layer w0.254: X1.53@-12.44,50.391 -10.433,50.391 -10.017,50.807 v2(-9.924,50.807) ; v2(-2.748,55.191) 33.874,55.191 X4.1@66.143,87.46
  Bottom Layer w0.254: v2(-9.924,50.807) -7.132,50.807 v2(-2.748,55.191)
DIG_IO_19: X1.54 X4.3 | length 96.6
  Top Layer w0.254: v2(-2.748,54.381) -2.654,54.381 -2.226,54.81 36.033,54.81 X4.3@68.683,87.46
  Bottom Layer w0.254: X1.54@-12.44,50.391 -10.291,50.391 -10.153,50.253 -9.694,50.253 -9.556,50.391 -7.009,50.391 -3.085,54.315 -2.814,54.315 v2(-2.748,54.381)
DIG_IO_20: X1.57 X4.5 | length 101.1
  Top Layer w0.254: X1.57@-12.44,45.591 -9.748,45.591 -9.477,45.862 v2(-9.383,45.862) ; v2(-1.513,53.195) -0.317,54.391 38.154,54.391 X4.5@71.223,87.46
  Bottom Layer w0.254: v2(-9.383,45.862) -9.376,45.869 -8.702,45.869 -1.579,52.993 -1.579,53.129 v2(-1.513,53.195)
DIG_IO_21: X1.58 X4.7 | length 103.8
  Top Layer w0.254: v2(-1.016,52.664) 0.291,53.971 40.274,53.971 X4.7@73.763,87.46
  Bottom Layer w0.254: X1.58@-12.44,45.591 -9.937,45.591 -9.666,45.32 -9.646,45.341 -9.613,45.308 -8.725,45.308 -1.42,52.613 -1.067,52.613 v2(-1.016,52.664)
DIG_IO_22: X1.61 X4.9 | length 106.7
  Top Layer w0.254: X1.61@-12.44,43.991 -8.542,43.991 -8.271,44.262 v2(-8.22,44.262) ; v2(-0.247,51.88) 1.463,53.59 42.433,53.59 X4.9@76.303,87.46
  Bottom Layer w0.254: v2(-8.22,44.262) -7.865,44.262 v2(-0.247,51.88)
DIG_IO_23: X1.62 X4.11 | length 109.5
  Top Layer w0.254: v2(0.325,51.308) 2.226,53.209 44.592,53.209 X4.11@78.843,87.46
  Bottom Layer w0.254: X1.62@-12.44,43.991 -8.776,43.991 -8.493,43.708 -7.88,43.708 -0.397,51.191 0.004,51.191 0.054,51.242 0.259,51.242 v2(0.325,51.308)
DIG_IO_24: X1.65 X4.13 | length 112.5
  Top Layer w0.254: X1.65@-12.44,42.391 -7.112,42.391 -6.831,42.672 v2(-6.79,42.672) ; v2(1.27,50.391) 3.707,52.828 46.751,52.828 X4.13@81.383,87.46
  Bottom Layer w0.254: v2(-6.79,42.672) -6.449,42.672 v2(1.27,50.391)
DIG_IO_25: X1.66 X4.15 | length 115.3
  Top Layer w0.254: v2(1.759,49.852) 4.354,52.447 48.91,52.447 X4.15@83.923,87.46
  Bottom Layer w0.254: X1.66@-12.44,42.391 -7.293,42.391 -7.02,42.118 -6.442,42.118 1.277,49.837 1.744,49.837 v2(1.759,49.852)
DIG_IO_26: X1.69 X4.17 | length 118.2
  Top Layer w0.254: X1.69@-12.44,40.791 -5.689,40.791 v2(-5.332,41.148) ; v2(2.83,48.804) 6.092,52.066 51.069,52.066 X4.17@86.463,87.46
  Bottom Layer w0.254: v2(-5.332,41.148) -5.313,41.168 -4.897,41.168 2.739,48.804 v2(2.83,48.804)
DIG_IO_27: X1.70 X4.19 | length 120.9
  Top Layer w0.254: v2(3.344,48.29) 6.739,51.685 53.228,51.685 X4.19@89.003,87.46
  Bottom Layer w0.254: X1.70@-12.44,40.791 -5.759,40.791 -5.562,40.594 -4.932,40.594 2.724,48.25 3.304,48.25 v2(3.344,48.29)
DIG_IO_28: X1.73 X4.21 | length 124
  Top Layer w0.254: X1.73@-12.44,39.191 -4.116,39.191 v2(-3.683,39.624) ; v2(4.249,47.385) 8.168,51.304 55.387,51.304 X4.21@91.543,87.46
  Bottom Layer w0.254: v2(-3.683,39.624) -3.597,39.624 4.163,47.385 v2(4.249,47.385)
DIG_IO_29: X1.74 X4.23 | length 126.6
  Top Layer w0.254: v2(4.751,46.859) 8.815,50.923 57.546,50.923 X4.23@94.083,87.46
  Bottom Layer w0.254: X1.74@-12.44,39.191 -4.185,39.191 -4.064,39.07 -3.454,39.07 4.307,46.831 4.723,46.831 v2(4.751,46.859)
GATE_A1: P1.1 R8A.2 U5A.1 U5A.3 X1.17 | length 158
  Top Layer w0.254: X1.17@-12.44,64.791 -10.231,64.791 -3.683,58.243 -3.683,53.971 4.568,45.72 44.069,45.72 P1.1@44.45,46.101 ; v2(102.352,94.099) 104.599,94.099 R8A.2@104.7,94.2 104.7,95.251 104.849,95.4 108.9,95.4 109.1,95.2 109.1,93.9 ; U5A.1@109.875,93.85 109.15,93.85 109.1,93.9 ; U5A.3@110.253,92.6 110.231,92.578 109.903,92.578 U5A.3@109.875,92.55 109.249,92.55 109.1,92.699 109.1,93.9
  Bottom Layer w0.254: P1.1@44.45,46.101 46.349,48 56.419,48 102.3,93.881 v2@102.3,94.3
GATE_A2: P1.2 R8B.2 U5B.1 U5B.3 X1.18 | length 155.7
  Top Layer w0.254: v2(-9.362,64.77) -3.302,58.71 -3.302,54.129 4.726,46.101 42.545,46.101 43.549,47.105 45.986,47.105 P1.2@46.99,46.101 47.327,46.101 47.708,45.72 55.72,45.72 98.1,88.1 R8B.2@104.7,88.1 104.7,87.049 104.849,86.9 108.951,86.9 109.1,87.049 109.1,88.224 ; U5B.3@109.875,88.25 109.126,88.25 109.1,88.224 ; U5B.1@109.875,89.55 109.25,89.55 109.1,89.4 109.1,88.224
  Bottom Layer w0.254: X1.18@-12.44,64.791 -9.383,64.791 v2(-9.362,64.77)
GATE_A3: P1.3 R8C.2 U5C.1 U5C.3 X1.21 | length 154.1
  Top Layer w0.254: X1.21@-12.44,63.191 -10.231,63.191 -4.445,57.405 -4.445,53.655 4.256,44.954 43.057,44.954 P1.3@44.45,43.561 ; v2(98.752,83.909) 104.609,83.909 R8C.2@104.7,84 104.7,84.761 105.139,85.2 108.9,85.2 109.1,85 109.1,83.7 ; U5C.1@109.875,83.65 109.15,83.65 109.1,83.7 ; U5C.3@110.253,82.4 110.231,82.378 109.903,82.378 U5C.3@109.875,82.35 109.249,82.35 109.1,82.499 109.1,83.7
  Bottom Layer w0.254: P1.3@44.45,43.561 45.789,44.9 59.7,44.9 v2@98.7,83.9
GATE_A4: P1.4 R8D.2 U5D.1 U5D.3 X1.22 | length 151.4
  Top Layer w0.254: v2(-9.414,63.191) -4.064,57.841 -4.064,53.813 4.414,45.335 43.357,45.335 43.976,44.716 45.835,44.716 P1.4@46.99,43.561 61.561,43.561 96,78 104.625,78 R8D.2@104.675,77.95 104.675,76.899 104.824,76.75 108.926,76.75 109.075,76.899 109.075,78.074 ; U5D.3@109.85,78.1 109.101,78.1 109.075,78.074 ; U5D.1@109.85,79.4 109.225,79.4 109.075,79.25 109.075,78.074
  Bottom Layer w0.254: X1.22@-12.44,63.191 v2(-9.414,63.191)
GATE_A5: P1.5 R8E.2 U5E.1 U5E.3 X1.25 | length 151.2
  Top Layer w0.254: X1.25@-12.44,61.591 -10.231,61.591 -5.207,56.567 -5.207,53.34 -4.106,52.239 3.941,44.192 41.279,44.192 P1.5@44.45,41.021 ; v2(97.352,73.909) 104.691,73.909 R8E.2@104.7,73.9 104.7,74.661 105.139,75.1 108.9,75.1 109.1,74.9 109.1,73.6 ; U5E.1@109.875,73.55 109.15,73.55 109.1,73.6 ; U5E.3@110.253,72.3 110.231,72.278 109.903,72.278 U5E.3@109.875,72.25 109.249,72.25 109.1,72.399 109.1,73.6
  Bottom Layer w0.254: P1.5@44.45,41.021 44.787,41.021 45.147,41.381 45.181,41.381 46.2,42.4 57.9,42.4 58,42.3 65.7,42.3 v2@97.3,73.9
GATE_A6: P1.6 R8F.2 U5F.1 U5F.3 X1.26 | length 148.4
  Top Layer w0.254: v2(-9.414,61.591) -4.826,57.003 -4.826,53.498 4.099,44.573 42.018,44.573 44.415,42.176 45.835,42.176 P1.6@46.99,41.021 69.421,41.021 96.212,67.812 R8F.2@104.7,67.812 104.7,66.761 104.849,66.612 108.951,66.612 109.1,66.761 109.1,67.936 ; U5F.3@109.875,67.962 109.126,67.962 109.1,67.936 ; U5F.1@109.875,69.262 109.25,69.262 109.1,69.112 109.1,67.936
  Bottom Layer w0.254: X1.26@-12.44,61.591 v2(-9.414,61.591)